# Altium PCB Cubli.PcbDoc (part 3 of 5)
Units mm, origin at the board's own origin, x right, y up, seen from the top; angles counter-clockwise.
Board outline 75.4 x 45.4 mm, 8 copper layers (Top Layer, GND 1, Signal 1, PWR 1, GND 2, Signal 2, PWR 2, Bottom Layer), stack 1.58 mm thick; 473 components, 286 nets, 1760 pads, 916 vias.
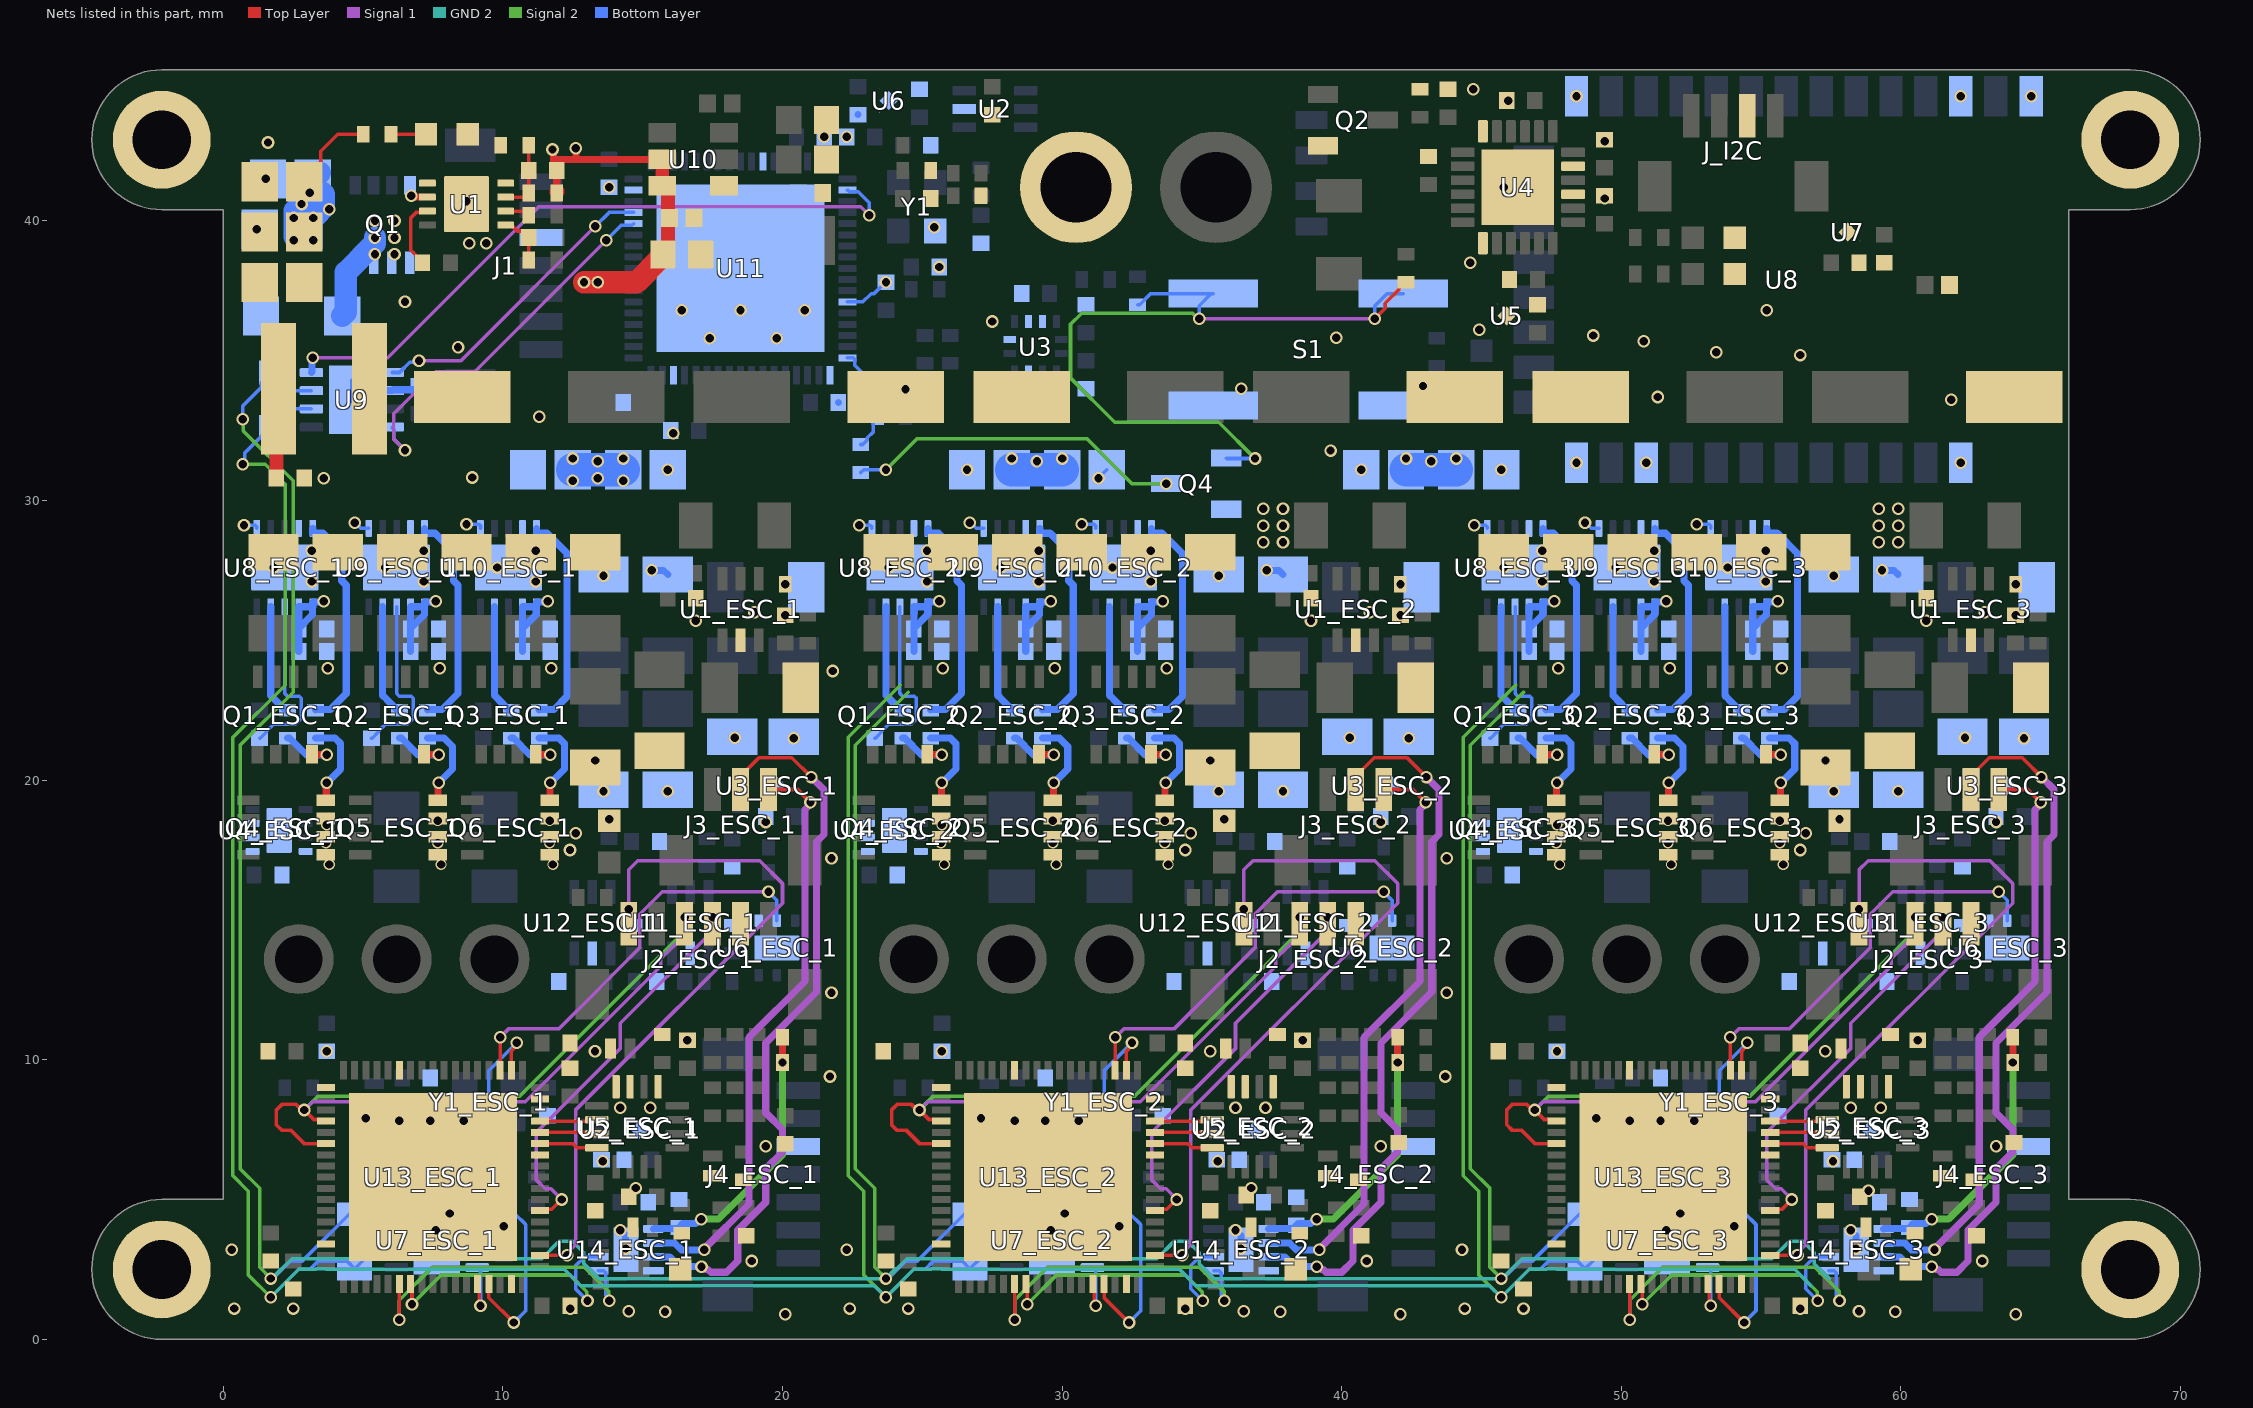
[diagram p9: the nets of this part, all layers, seen from the top]

## Via types
v1: diameter 0.45, hole 0.3, Top Layer to Bottom Layer, tented both sides, 853 vias
v2: diameter 0.4, hole 0.3, Top Layer to Bottom Layer, tented both sides, 63 vias

## Nets (pads, with @x,y where several pads share a name; then routed paths per layer and width w, separated by ;. In a path a pad name is that pad's centre, name@x,y a point inside that pad or via, vN(x,y) a via of type N, cw(c..) or ccw(c..) an arc to the next point about the centre after c; other vN are vias at no path point) (continued)
12V: C3.2 C4.2 C5.2 C6.2 C7.2 C8.2 C28_ESC_1.1 C28_ESC_2.1 C28_ESC_3.1 C29_ESC_1.1 C29_ESC_2.1 C29_ESC_3.1 C30.2 C31.2 C31_ESC_1.1 C31_ESC_2.1 C31_ESC_3.1 C32_ESC_1.1 C32_ESC_2.1 C32_ESC_3.1 C34_ESC_1.1 C34_ESC_2.1 C34_ESC_3.1 C35_ESC_1.1 C35_ESC_2.1 C35_ESC_3.1 C47.2 C48.2 C49.2 C50.2 C51.2 C54.2 C55.2 L1.2 R4.1 R22.2 U8_ESC_1.1 U8_ESC_1.2 U8_ESC_1.6 U8_ESC_2.1 U8_ESC_2.2 U8_ESC_2.6 U8_ESC_3.1 U8_ESC_3.2 U8_ESC_3.6 U9_ESC_1.1 U9_ESC_1.2 U9_ESC_1.6 U9_ESC_2.1 U9_ESC_2.2 U9_ESC_2.6 U9_ESC_3.1 U9_ESC_3.2 U9_ESC_3.6 U10.2 U10.3 U10_ESC_1.1 U10_ESC_1.2 U10_ESC_1.6 U10_ESC_2.1 U10_ESC_2.2 U10_ESC_2.6 U10_ESC_3.1 U10_ESC_3.2 U10_ESC_3.6 | length 67.3
  Top Layer w0.127: L1.2@1.9,33.925 L1.2@1.975,34 ; v1(3.1,41) 3.487,41.386 3.487,42.487 4.1,43.1 R22.2@5,43.1
  Top Layer w0.254: v1(11.776,42.551) 11.814,42.513 11.814,41.911 C4.2@11.925,41.8 11.925,41.025 R4.1@11.925,41 ; C4.2@11.913,41.911 11.913,42.15 11.963,42.2 12.613,42.2 ; v1(12.6,42.6) 12.613,42.587 12.613,42.2 ; U10.2@15.7,42.2 12.613,42.2
  Top Layer w0.5: C5.2@1.9,30.8 L1.2@1.9,33.925 ; R4.1@11.925,41.025 R4.1@11.95,41.05 ; U10.2@15.7,42.2 U10.3@15.7,41.25 15.81,41.25 15.91,41.15 15.91,40.15 C31.2@15.96,40.1 15.91,40.05 15.91,38.985 C30.2@15.725,38.8
  Top Layer w0.8: v1(12.9,37.8) v1(13.4,37.8) 14.775,37.8 15.675,38.7 15.675,38.75 C30.2@15.725,38.8
  Bottom Layer w0.127: v1(0.743,29.115) 1.144,29.115 1.2,29.058 U8_ESC_1.6@1.2,29 ; v1(4.7,29.2) 4.724,29.2 4.924,29 U9_ESC_1.6@5.2,29 ; v1(8.7,29.152) 9.143,29.152 9.2,29.096 U10_ESC_1.6@9.2,29 ; v1(22.743,29.115) 23.143,29.115 23.2,29.058 U8_ESC_2.6@23.2,29 ; v1(26.7,29.2) 26.724,29.2 26.924,29 U9_ESC_2.6@27.2,29 ; v1(30.7,29.152) 31.143,29.152 31.2,29.096 U10_ESC_2.6@31.2,29 ; v1(44.743,29.115) 45.143,29.115 45.2,29.058 U8_ESC_3.6@45.2,29 ; v1(48.7,29.2) 48.724,29.2 48.924,29 U9_ESC_3.6@49.2,29 ; v1(52.7,29.152) 53.143,29.152 53.2,29.096 U10_ESC_3.6@53.2,29
  Bottom Layer w0.254: C29_ESC_1.1@2.7,24.6 C28_ESC_1.1@2.7,25.4 C28_ESC_1.1@2.7,25.425 ; v1(3.6,26.4) 3.562,26.362 3.207,26.362 3.2,26.355 U8_ESC_1.1@3.2,26.2 ; C31_ESC_1.1@6.7,24.6 C32_ESC_1.1@6.7,25.425 ; v1(7.6,26.4) 7.562,26.362 7.207,26.362 7.2,26.355 U9_ESC_1.1@7.2,26.2 ; C34_ESC_1.1@10.7,24.6 C35_ESC_1.1@10.7,25.425 ; v1(11.6,26.4) 11.562,26.362 11.207,26.362 11.2,26.355 U10_ESC_1.1@11.2,26.2 ; C29_ESC_2.1@24.7,24.6 C28_ESC_2.1@24.7,25.4 C28_ESC_2.1@24.7,25.425 ; v1(25.6,26.4) 25.562,26.362 25.207,26.362 25.2,26.355 U8_ESC_2.1@25.2,26.2 ; C31_ESC_2.1@28.7,24.6 C32_ESC_2.1@28.7,25.425 ; v1(29.6,26.4) 29.562,26.362 29.207,26.362 29.2,26.355 U9_ESC_2.1@29.2,26.2 ; C34_ESC_2.1@32.7,24.6 C35_ESC_2.1@32.7,25.425 ; v1(33.6,26.4) 33.562,26.362 33.207,26.362 33.2,26.355 U10_ESC_2.1@33.2,26.2 ; C29_ESC_3.1@46.7,24.6 C28_ESC_3.1@46.7,25.425 ; v1(47.6,26.4) 47.562,26.362 47.207,26.362 47.2,26.355 U8_ESC_3.1@47.2,26.2 ; C31_ESC_3.1@50.7,24.6 C32_ESC_3.1@50.7,25.425 ; v1(51.6,26.4) 51.562,26.362 51.207,26.362 51.2,26.355 U9_ESC_3.1@51.2,26.2 ; C34_ESC_3.1@54.7,24.6 C35_ESC_3.1@54.7,25.425 ; v1(55.6,26.4) 55.562,26.362 55.207,26.362 55.2,26.355 U10_ESC_3.1@55.2,26.2 ; C28_ESC_1.1@2.7,25.425 3.193,25.918 3.193,26.193 U8_ESC_1.1@3.2,26.2 ; C28_ESC_1.1@2.7,25.425 U8_ESC_1.2@2.7,26.2 U8_ESC_1.1@3.2,26.2 ; C32_ESC_1.1@6.7,25.425 U9_ESC_1.2@6.7,26.2 U9_ESC_1.1@7.2,26.2 ; C32_ESC_1.1@6.7,25.425 7.193,25.918 7.193,26.193 U9_ESC_1.1@7.2,26.2 ; C35_ESC_1.1@10.7,25.425 11.193,25.918 11.193,26.193 U10_ESC_1.1@11.2,26.2 ; C35_ESC_1.1@10.7,25.425 U10_ESC_1.2@10.7,26.2 U10_ESC_1.1@11.2,26.2 ; C28_ESC_2.1@24.7,25.425 U8_ESC_2.2@24.7,26.2 U8_ESC_2.1@25.2,26.2 ; C28_ESC_2.1@24.7,25.425 25.193,25.918 25.193,26.193 U8_ESC_2.1@25.2,26.2 ; C32_ESC_2.1@28.7,25.425 29.193,25.918 29.193,26.193 U9_ESC_2.1@29.2,26.2 ; C32_ESC_2.1@28.7,25.425 U9_ESC_2.2@28.7,26.2 U9_ESC_2.1@29.2,26.2 ; C35_ESC_2.1@32.7,25.425 U10_ESC_2.2@32.7,26.2 U10_ESC_2.1@33.2,26.2 ; C35_ESC_2.1@32.7,25.425 33.193,25.918 33.193,26.193 U10_ESC_2.1@33.2,26.2 ; C28_ESC_3.1@46.7,25.425 U8_ESC_3.2@46.7,26.2 U8_ESC_3.1@47.2,26.2 ; C28_ESC_3.1@46.7,25.425 47.193,25.918 47.193,26.193 U8_ESC_3.1@47.2,26.2 ; C32_ESC_3.1@50.7,25.425 51.193,25.918 51.193,26.193 U9_ESC_3.1@51.2,26.2 ; C32_ESC_3.1@50.7,25.425 U9_ESC_3.2@50.7,26.2 U9_ESC_3.1@51.2,26.2 ; C35_ESC_3.1@54.7,25.425 U10_ESC_3.2@54.7,26.2 U10_ESC_3.1@55.2,26.2 ; C35_ESC_3.1@54.7,25.425 55.193,25.918 55.193,26.193 U10_ESC_3.1@55.2,26.2
  Bottom Layer w0.8: v1(2.8,40.6) 2.555,40.355 2.555,39.43 3.413,40.288 3.413,40.308 3.6,40.495 3.6,40.95 3.55,41 v1(3.1,41) ; C8.2@3.2,41.5 3.225,41.5 C8.2@3.45,41.725
  Bottom Layer w1.2: C48.2@12.5,31.1 C51.2@14.3,31.1 ; C47.2@28.2,31.1 C50.2@30,31.1 ; C3.2@42.3,31.1 C49.2@44.1,31.1
  other v1: 12.5,30.7 14.3,30.7 13.4,30.8 13.4,31.4 29.1,31.4 43.2,31.4 12.5,31.5 14.3,31.5 28.2,31.5 30,31.5 42.3,31.5 44.1,31.5 2.525,39.3 3.225,39.3 2.525,40.1 3.225,40.1 3.787,40.421
12V_LED: D5.1 R22.1 | length 1.3
  Top Layer w0.127: R22.1@6,43.1 D5.1@7.25,43.1
12VREG_ADJ: C1.1 R1.2 U1.1 | length 1.8
  Top Layer w0.127: U1.1@10.125,39.85 10.3,39.85 10.513,39.636 10.714,39.636 10.925,39.425 C1.1@10.925,39.4 R1.2@10.925,38.6
12VREG_FB: C4.1 R4.2 R5.1 U1.3 | length 2.6
  Top Layer w0.127: U1.3@10.125,40.85 10.775,40.85 R4.2@10.925,41 C4.1@10.925,41.8 R5.1@10.925,42.7
12VREG_LX: D1.2 L1.1 Q1.5 Q1.6 Q1.7 Q1.8 U1.5 | length 3.3
  Bottom Layer w0.8: D1.2@4.25,36.6 4.385,36.735 4.385,38.16 5.425,39.2 v1(5.425,39.4)
  other v1: 5.425,38.8 6.125,38.8 6.125,39.4 5.425,40 6.125,40
12VREG_PGATE: Q1.4 U1.6 | length 0.6
  Top Layer w0.254: v1(6.725,40.9) 6.778,40.9 6.826,40.852 7.323,40.852 U1.6@7.325,40.85
12VREG_RT: R3.1 U1.2 | length 0.9
  Top Layer w0.127: U1.2@10.125,40.35 10.775,40.35 R3.1@10.925,40.2
12VREG_VCC: C2.2 U1.7 | length 2.5
  Top Layer w0.127: C2.2@7.125,38.5 7.125,38.525 6.7,38.95 6.7,40.1 6.914,40.314 7.289,40.314 U1.7@7.325,40.35
BRAKE_MOTOR_IN1_1: U13_ESC_1.41 U14_ESC_1.6 | length 10.4
  Top Layer w0.127: U13_ESC_1.41@6.7,1.975 6.75,1.925 v1(6.75,1.25)
  Signal 2 w0.127: v1(6.75,1.25) 7.8,2.3 12.4,2.3 13.004,1.696 13.004,1.407 v1(13.027,1.385)
  Bottom Layer w0.127: v1(13.027,1.385) 12.6,1.812 12.6,2.625 12.925,2.95 U14_ESC_1.6@13.415,2.95
BRAKE_MOTOR_IN1_2: U13_ESC_2.41 U14_ESC_2.6 | length 10.4
  Top Layer w0.127: U13_ESC_2.41@28.7,1.975 28.75,1.925 v1(28.75,1.25)
  Signal 2 w0.127: v1(28.75,1.25) 29.8,2.3 34.4,2.3 35.004,1.696 35.004,1.407 v1(35.027,1.385)
  Bottom Layer w0.127: v1(35.027,1.385) 34.6,1.812 34.6,2.625 34.925,2.95 U14_ESC_2.6@35.415,2.95
BRAKE_MOTOR_IN1_3: U13_ESC_3.41 U14_ESC_3.6 | length 10.4
  Top Layer w0.127: U13_ESC_3.41@50.7,1.975 50.75,1.925 v1(50.75,1.25)
  Signal 2 w0.127: v1(50.75,1.25) 51.8,2.3 56.4,2.3 57.004,1.696 57.004,1.407 v1(57.027,1.385)
  Bottom Layer w0.127: v1(57.027,1.385) 56.6,1.812 56.6,2.625 56.925,2.95 U14_ESC_3.6@57.415,2.95
BRAKE_MOTOR_IN2_1: U13_ESC_1.40 U14_ESC_1.5 | length 12
  Top Layer w0.127: v1(6.3,0.7) U13_ESC_1.40@6.3,1.975
  Signal 2 w0.127: v1(6.3,0.7) 6.3,1.4 7.484,2.584 12.916,2.584 13.791,1.709 13.791,1.394 v1(13.8,1.385)
  Bottom Layer w0.127: U14_ESC_1.5@13.415,2.45 13.61,2.45 13.687,2.374 13.687,1.585 13.8,1.472 v1(13.8,1.385)
BRAKE_MOTOR_IN2_2: U13_ESC_2.40 U14_ESC_2.5 | length 12
  Top Layer w0.127: v1(28.3,0.7) U13_ESC_2.40@28.3,1.975
  Signal 2 w0.127: v1(28.3,0.7) 28.3,1.4 29.484,2.584 34.915,2.584 35.791,1.709 35.791,1.394 v1(35.8,1.385)
  Bottom Layer w0.127: U14_ESC_2.5@35.415,2.45 35.61,2.45 35.686,2.374 35.686,1.585 35.8,1.472 v1(35.8,1.385)
BRAKE_MOTOR_IN2_3: U13_ESC_3.40 U14_ESC_3.5 | length 12
  Top Layer w0.127: v1(50.3,0.7) U13_ESC_3.40@50.3,1.975
  Signal 2 w0.127: v1(50.3,0.7) 50.3,1.4 51.484,2.584 56.915,2.584 57.791,1.709 57.791,1.394 v1(57.8,1.385)
  Bottom Layer w0.127: U14_ESC_3.5@57.415,2.45 57.61,2.45 57.686,2.374 57.686,1.585 57.8,1.472 v1(57.8,1.385)
BRAKE_MOTOR_VM_1: C53_ESC_1.1 R37_ESC_1.1 R38_ESC_1.1 U14_ESC_1.1 | length 9.9
  Top Layer w0.254: v1(20,9.9) R37_ESC_1.1@20,10.8
  Signal 2 w0.254: v1(17.1,4.3) 17.106,4.306 17.706,4.306 20,6.6 v1(20,9.9)
  Bottom Layer w0.254: U14_ESC_1.1@15.385,3.95 15.398,3.963 16.263,3.963 C53_ESC_1.1@16.3,4 16.448,4.148 16.895,4.148 17.047,4.3 v1(17.1,4.3)
BRAKE_MOTOR_VM_2: C53_ESC_2.1 R37_ESC_2.1 R38_ESC_2.1 U14_ESC_2.1 | length 9.9
  Top Layer w0.254: v1(42,9.9) R37_ESC_2.1@42,10.8
  Signal 2 w0.254: v1(39.1,4.3) 39.106,4.306 39.706,4.306 42,6.6 v1(42,9.9)
  Bottom Layer w0.254: U14_ESC_2.1@37.385,3.95 37.398,3.963 38.263,3.963 38.3,4 38.448,4.148 38.895,4.148 39.047,4.3 v1(39.1,4.3)
BRAKE_MOTOR_VM_3: C53_ESC_3.1 R37_ESC_3.1 R38_ESC_3.1 U14_ESC_3.1 | length 9.9
  Top Layer w0.254: v1(64,9.9) R37_ESC_3.1@64,10.8
  Signal 2 w0.254: v1(61.1,4.3) 61.106,4.306 61.706,4.306 64,6.6 v1(64,9.9)
  Bottom Layer w0.254: U14_ESC_3.1@59.385,3.95 59.398,3.963 60.263,3.963 C53_ESC_3.1@60.3,4 60.448,4.148 60.895,4.148 61.047,4.3 v1(61.1,4.3)
BRAKE_MOTOR_VN_1: J3_ESC_1.2 U14_ESC_1.3 | length 26.2
  Top Layer w0.127: J3_ESC_1.2@18.5,19.663 18.5,20.138 19.162,20.8 20.332,20.8 v1(21.024,20.108)
  Signal 1 w0.254: v1(17.102,2.6) 17.155,2.6 17.253,2.502 17.339,2.502 17.441,2.4 18,2.4 18.4,2.8 18.4,3.9 19.4,4.9 19.4,6.1 20,6.7 20,7.5 19.4,8.1 19.4,10.6 21.219,12.419 21.219,17.797 21.479,18.057 21.479,19.653 v1(21.024,20.108)
  Bottom Layer w0.254: U14_ESC_1.3@15.385,2.95 15.95,2.95 16.3,2.6 v1(17.102,2.6)
BRAKE_MOTOR_VN_2: J3_ESC_2.2 U14_ESC_2.3 | length 26.2
  Top Layer w0.127: J3_ESC_2.2@40.5,19.663 40.5,20.138 41.162,20.8 42.332,20.8 v1(43.024,20.108)
  Signal 1 w0.254: v1(39.102,2.6) 39.155,2.6 39.253,2.502 39.339,2.502 39.441,2.4 40,2.4 40.4,2.8 40.4,3.9 41.4,4.9 41.4,6.1 42,6.7 42,7.5 41.4,8.1 41.4,10.6 43.219,12.419 43.219,17.797 43.479,18.057 43.479,19.653 v1(43.024,20.108)
  Bottom Layer w0.254: U14_ESC_2.3@37.385,2.95 37.95,2.95 38.3,2.6 v1(39.102,2.6)
BRAKE_MOTOR_VN_3: J3_ESC_3.2 U14_ESC_3.3 | length 26.2
  Top Layer w0.127: J3_ESC_3.2@62.5,19.663 62.5,20.138 63.162,20.8 64.332,20.8 v1(65.024,20.108)
  Signal 1 w0.254: v1(61.102,2.6) 61.155,2.6 61.253,2.502 61.339,2.502 61.441,2.4 62,2.4 62.4,2.8 62.4,3.9 63.4,4.9 63.4,6.1 64,6.7 64,7.5 63.4,8.1 63.4,10.6 65.219,12.419 65.219,17.797 65.479,18.057 65.479,19.653 v1(65.024,20.108)
  Bottom Layer w0.254: U14_ESC_3.3@59.385,2.95 59.95,2.95 60.3,2.6 v1(61.102,2.6)
BRAKE_MOTOR_VP_1: J3_ESC_1.1 U14_ESC_1.2 | length 21.2
  Top Layer w0.127: J3_ESC_1.1@19.5,19.663 20.538,19.663 v1(21,19.2)
  Signal 1 w0.254: v1(17.2,3.2) 17.2,3.239 18.8,4.839 18.8,10.8 20.8,12.8 20.8,18.953 21,19.153 v1(21,19.2)
  Bottom Layer w0.254: U14_ESC_1.2@15.385,3.45 16.136,3.45 16.386,3.2 v1(17.2,3.2)
BRAKE_MOTOR_VP_2: J3_ESC_2.1 U14_ESC_2.2 | length 21.2
  Top Layer w0.127: J3_ESC_2.1@41.5,19.663 42.537,19.663 v1(43,19.2)
  Signal 1 w0.254: v1(39.2,3.2) 39.2,3.239 40.8,4.839 40.8,10.8 42.8,12.8 42.8,18.953 43,19.153 v1(43,19.2)
  Bottom Layer w0.254: U14_ESC_2.2@37.385,3.45 38.136,3.45 38.386,3.2 v1(39.2,3.2)
BRAKE_MOTOR_VP_3: J3_ESC_3.1 U14_ESC_3.2 | length 21.2
  Top Layer w0.127: J3_ESC_3.1@63.5,19.663 64.537,19.663 v1(65,19.2)
  Signal 1 w0.254: v1(61.2,3.2) 61.2,3.239 62.8,4.839 62.8,10.8 64.8,12.8 64.8,18.953 65,19.153 v1(65,19.2)
  Bottom Layer w0.254: U14_ESC_3.2@59.385,3.45 60.136,3.45 60.386,3.2 v1(61.2,3.2)
BUTTON: C53.1 R19.2 R20.1 U11.17 | length 4
  Bottom Layer w0.127: U11.17@22.325,35.1 22.525,35.1 22.587,35.039 22.587,34.839 23.189,34.237 23.189,34.112 C53.1@23.4,33.9 R19.2@23.4,33 23.239,32.838 23.239,32.439 23.036,32.236 23.036,32.162 22.875,32 R20.1@22.8,32
BUTTON_IN: Q4.3 R20.2 | length 12.1
  Signal 2 w0.127: v1(23.7,31.1) 24.8,32.2 30.9,32.2 32.5,30.6 v1@33.6,30.6
  Bottom Layer w0.127: R20.2@22.8,31 22.9,31.1 v1(23.7,31.1) ; Q4.3@33.6,30.6 v1(33.73,30.6)
BUTTON_R: Q4.1 R16.2 R18.2 S1.3 S1.4 | length 29.3
  Top Layer w0.127: v1(41.187,36.501) 41.56,36.873 41.56,37.06 42.063,37.564 42.063,37.638 42.225,37.8 R18.2@42.3,37.8
  Signal 1 w0.127: v1(34.9,36.5) v1@41.187,36.5
  Signal 2 w0.127: v1(34.9,36.5) 34.864,36.5 34.664,36.7 30.7,36.7 30.3,36.3 30.3,34.379 31.879,32.8 35.6,32.8 v1(36.9,31.5)
  Bottom Layer w0.127: R16.2@32.7,37 32.775,37 33.175,37.4 S1.3@35.337,37.4 ; v1(34.9,36.5) 34.9,36.963 S1.3@35.337,37.4 ; S1.3@35.4,37.4 S1.3@35.337,37.4 ; Q4.1@35.87,31.515 35.885,31.5 v1(36.9,31.5) ; v1(41.187,36.501) 41.187,36.963 41.624,37.4 S1.4@42.2,37.4
CAN_H: R9_ESC_1.2 R9_ESC_2.2 R9_ESC_3.2 R11.2 U7_ESC_1.7 U7_ESC_2.7 U7_ESC_3.7 U9.7 | length 171.3
  Signal 2 w0.127: v1(0.7,32.9) 0.716,32.885 0.716,32.484 2.5,30.7 2.5,23.146 0.6,21.246 0.6,6.1 1.3,5.4 1.3,2.573 v1(1.7,2.173) ; v1(23.7,2.173) 23.3,2.573 23.3,5.4 22.6,6.1 22.6,21.246 24.5,23.146 ; v1(45.7,2.173) 45.3,2.573 45.3,5.4 44.6,6.1 44.6,21.246 46.5,23.146
  GND 2 w0.127: v1@1.737,2.173 2.448,2.885 11.384,2.885 12,3.5 12.5,3.5 12.9,3.1 12.9,2.7 13.427,2.173 v1(23.7,2.173) 24.042,2.516 ; v1(45.7,2.173) 35.427,2.173 ; v1@45.736,2.173 46.448,2.885 55.384,2.885 56,3.5 56.5,3.5 56.9,3.1 56.9,2.7 57.427,2.173 ; 24.448,2.885 23.736,2.173 24.448,2.885 ; 24.448,2.885 33.384,2.885 ; 24.448,2.885 33.384,2.885 ; 33.384,2.885 34,3.5 ; 33.384,2.885 34,3.5 ; 34,3.5 34.5,3.5 ; 34,3.5 34.5,3.5 ; 34.5,3.5 34.9,3.1 ; 34.5,3.5 34.9,3.1 ; 34.9,2.7 35.427,2.173 ; 34.9,2.7 34.9,3.1 ; 34.9,2.7 34.9,3.1 ; 34.9,2.7 35.427,2.173
  Bottom Layer w0.127: v1(0.7,32.9) 0.7,33.375 1.367,34.042 1.367,34.214 1.729,34.575 2.1,34.575 2.461,34.214 2.461,34.014 2.55,33.925 U9.7@3.155,33.925 ; v1(1.7,2.173) 1.773,2.173 2.4,2.8 2.825,2.8 4.5,4.475 R9_ESC_1.2@4.7,4.475 5.062,4.114 5.287,4.114 5.538,3.863 U7_ESC_1.7@6.192,3.863 ; v1(23.7,2.173) 23.773,2.173 24.4,2.8 24.825,2.8 26.5,4.475 R9_ESC_2.2@26.7,4.475 27.061,4.114 27.286,4.114 27.537,3.863 U7_ESC_2.7@28.192,3.862 ; v1(45.7,2.173) 45.773,2.173 46.4,2.8 46.825,2.8 48.5,4.475 R9_ESC_3.2@48.7,4.475 49.061,4.114 49.286,4.114 49.537,3.863 U7_ESC_3.7@50.192,3.862
CAN_L: R9_ESC_1.1 R9_ESC_2.1 R9_ESC_3.1 R11.1 U7_ESC_1.6 U7_ESC_2.6 U7_ESC_3.6 U9.6 | length 167.8
  Signal 2 w0.127: v1(0.7,31.3) 1.5,31.3 2.215,30.585 2.215,23.396 0.346,21.526 0.346,5.854 0.9,5.3 0.9,2.3 v1(1.7,1.5) ; v1(23.7,1.5) 22.9,2.3 22.9,5.3 22.346,5.854 22.346,21.526 24.215,23.396 ; v1(45.7,1.5) 44.9,2.3 44.9,5.3 44.346,5.854 44.346,21.526 46.215,23.396
  GND 2 w0.127: v1(1.7,1.5) 2.7,2.5 3.312,2.5 3.328,2.516 3.672,2.516 3.688,2.5 12.2,2.5 12.781,1.919 23.281,1.919 v1(23.7,1.5) ; 56.781,1.919 56.2,2.5 47.688,2.5 ; v1(23.7,1.5) 24.7,2.5 ; v1(23.7,1.5) 23.715,1.516 24.7,2.5 ; 24.7,2.5 25.312,2.5 ; 24.7,2.5 25.312,2.5 ; 25.312,2.5 25.328,2.516 ; 25.312,2.5 25.328,2.516 ; 25.328,2.516 25.672,2.516 ; 25.328,2.516 25.672,2.516 ; 25.672,2.516 25.688,2.5 ; 25.672,2.516 25.688,2.5 ; 25.688,2.5 34.2,2.5 ; 25.688,2.5 34.2,2.5 ; 34.2,2.5 34.781,1.919 ; 34.2,2.5 34.781,1.919 ; 34.781,1.919 45.281,1.919 v1(45.7,1.5) 46.7,2.5 47.312,2.5 47.328,2.516 47.672,2.516 ; 47.672,2.516 47.688,2.5 ; 47.672,2.516 47.688,2.5
  Bottom Layer w0.127: v1(0.7,31.3) 0.762,31.362 0.762,31.687 1.7,32.625 R11.1@1.9,32.625 2.1,32.625 2.461,32.987 2.461,33.187 2.55,33.275 U9.6@3.155,33.275 ; v1(1.7,1.5) 2.7,2.5 3.1,2.5 3.4,2.8 4.425,2.8 R9_ESC_1.1@4.7,2.525 5.062,2.887 5.287,2.887 5.613,3.213 U7_ESC_1.6@6.192,3.213 ; v1(23.7,1.5) 24.7,2.5 25.1,2.5 25.4,2.8 26.425,2.8 R9_ESC_2.1@26.7,2.525 27.061,2.887 27.286,2.887 27.612,3.213 U7_ESC_2.6@28.192,3.212 ; v1(45.7,1.5) 46.7,2.5 47.1,2.5 47.4,2.8 48.425,2.8 R9_ESC_3.1@48.7,2.525 49.061,2.887 49.286,2.887 49.612,3.213 U7_ESC_3.6@50.192,3.212
CAN_RX: U9.4 U11.47 | length 13.9
  Signal 1 w0.127: v1(6.5,31.8) 6.1,32.2 6.1,33.1 7.6,34.6 9,34.6 v1(13.7,39.3)
  Bottom Layer w0.127: U9.4@6.045,32.625 6.045,32.583 6.1,32.528 6.1,32.2 v1(6.5,31.8) ; v1(13.7,39.3) 14.238,39.838 14.613,39.838 U11.47@14.675,39.9
CAN_RX_1: U7_ESC_1.4 U13_ESC_1.47 | length 2.2
  Top Layer w0.127: U13_ESC_1.47@9.1,1.975 9.15,1.925 9.15,1.25 v1(9.2,1.2)
  Bottom Layer w0.127: U7_ESC_1.4@9.083,2.563 9.103,2.563 9.2,2.466 v1(9.2,1.2)
CAN_RX_2: U7_ESC_2.4 U13_ESC_2.47 | length 2.2
  Top Layer w0.127: U13_ESC_2.47@31.1,1.975 31.15,1.925 31.15,1.25 v1(31.2,1.2)
  Bottom Layer w0.127: U7_ESC_2.4@31.082,2.562 31.103,2.563 31.2,2.466 v1(31.2,1.2)
CAN_RX_3: U7_ESC_3.4 U13_ESC_3.47 | length 2.2
  Top Layer w0.127: U13_ESC_3.47@53.1,1.975 53.15,1.925 53.15,1.25 v1(53.2,1.2)
  Bottom Layer w0.127: U7_ESC_3.4@53.082,2.562 53.103,2.563 53.2,2.466 v1(53.2,1.2)
CAN_S: U9.8 U11.2 | length 24.2
  Signal 1 w0.127: v1(3.2,35.1) 5.888,35.1 11.288,40.5 22.8,40.5 v1(23.1,40.2)
  Bottom Layer w0.127: U11.2@22.325,41.1 22.387,41.038 22.706,41.038 23.1,40.644 v1(23.1,40.2)
  Bottom Layer w0.254: U9.8@3.155,34.575 3.178,34.597 3.178,35.078 v1(3.2,35.1)
CAN_S_1: U7_ESC_1.8 U13_ESC_1.2 | length 9.8
  Top Layer w0.127: U13_ESC_1.2@10.3,9.625 10.3,10.313 10.5,10.513 v1(10.5,10.6)
  Bottom Layer w0.127: U7_ESC_1.8@6.192,4.513 6.413,4.513 6.509,4.609 6.509,5.413 7.159,6.062 8.462,6.062 9.5,7.1 9.5,9.6 v1(10.5,10.6)
CAN_S_2: U7_ESC_2.8 U13_ESC_2.2 | length 9.8
  Top Layer w0.127: U13_ESC_2.2@32.3,9.625 32.3,10.313 32.5,10.513 v1(32.5,10.6)
  Bottom Layer w0.127: U7_ESC_2.8@28.192,4.512 28.412,4.513 28.509,4.609 28.509,5.413 29.159,6.062 30.462,6.062 31.5,7.1 31.5,9.6 v1(32.5,10.6)